# Altium PCB PCB1.pcbdoc (part 4 of 4)
Units mm, origin at the board's own origin, x right, y up, seen from the top; angles counter-clockwise.
Board outline 96.27 x 122.17 mm, 4 copper layers (Top Layer, Inner1, Inner2, Bottom Layer); 167 components, 166 nets, 783 pads, 353 vias.
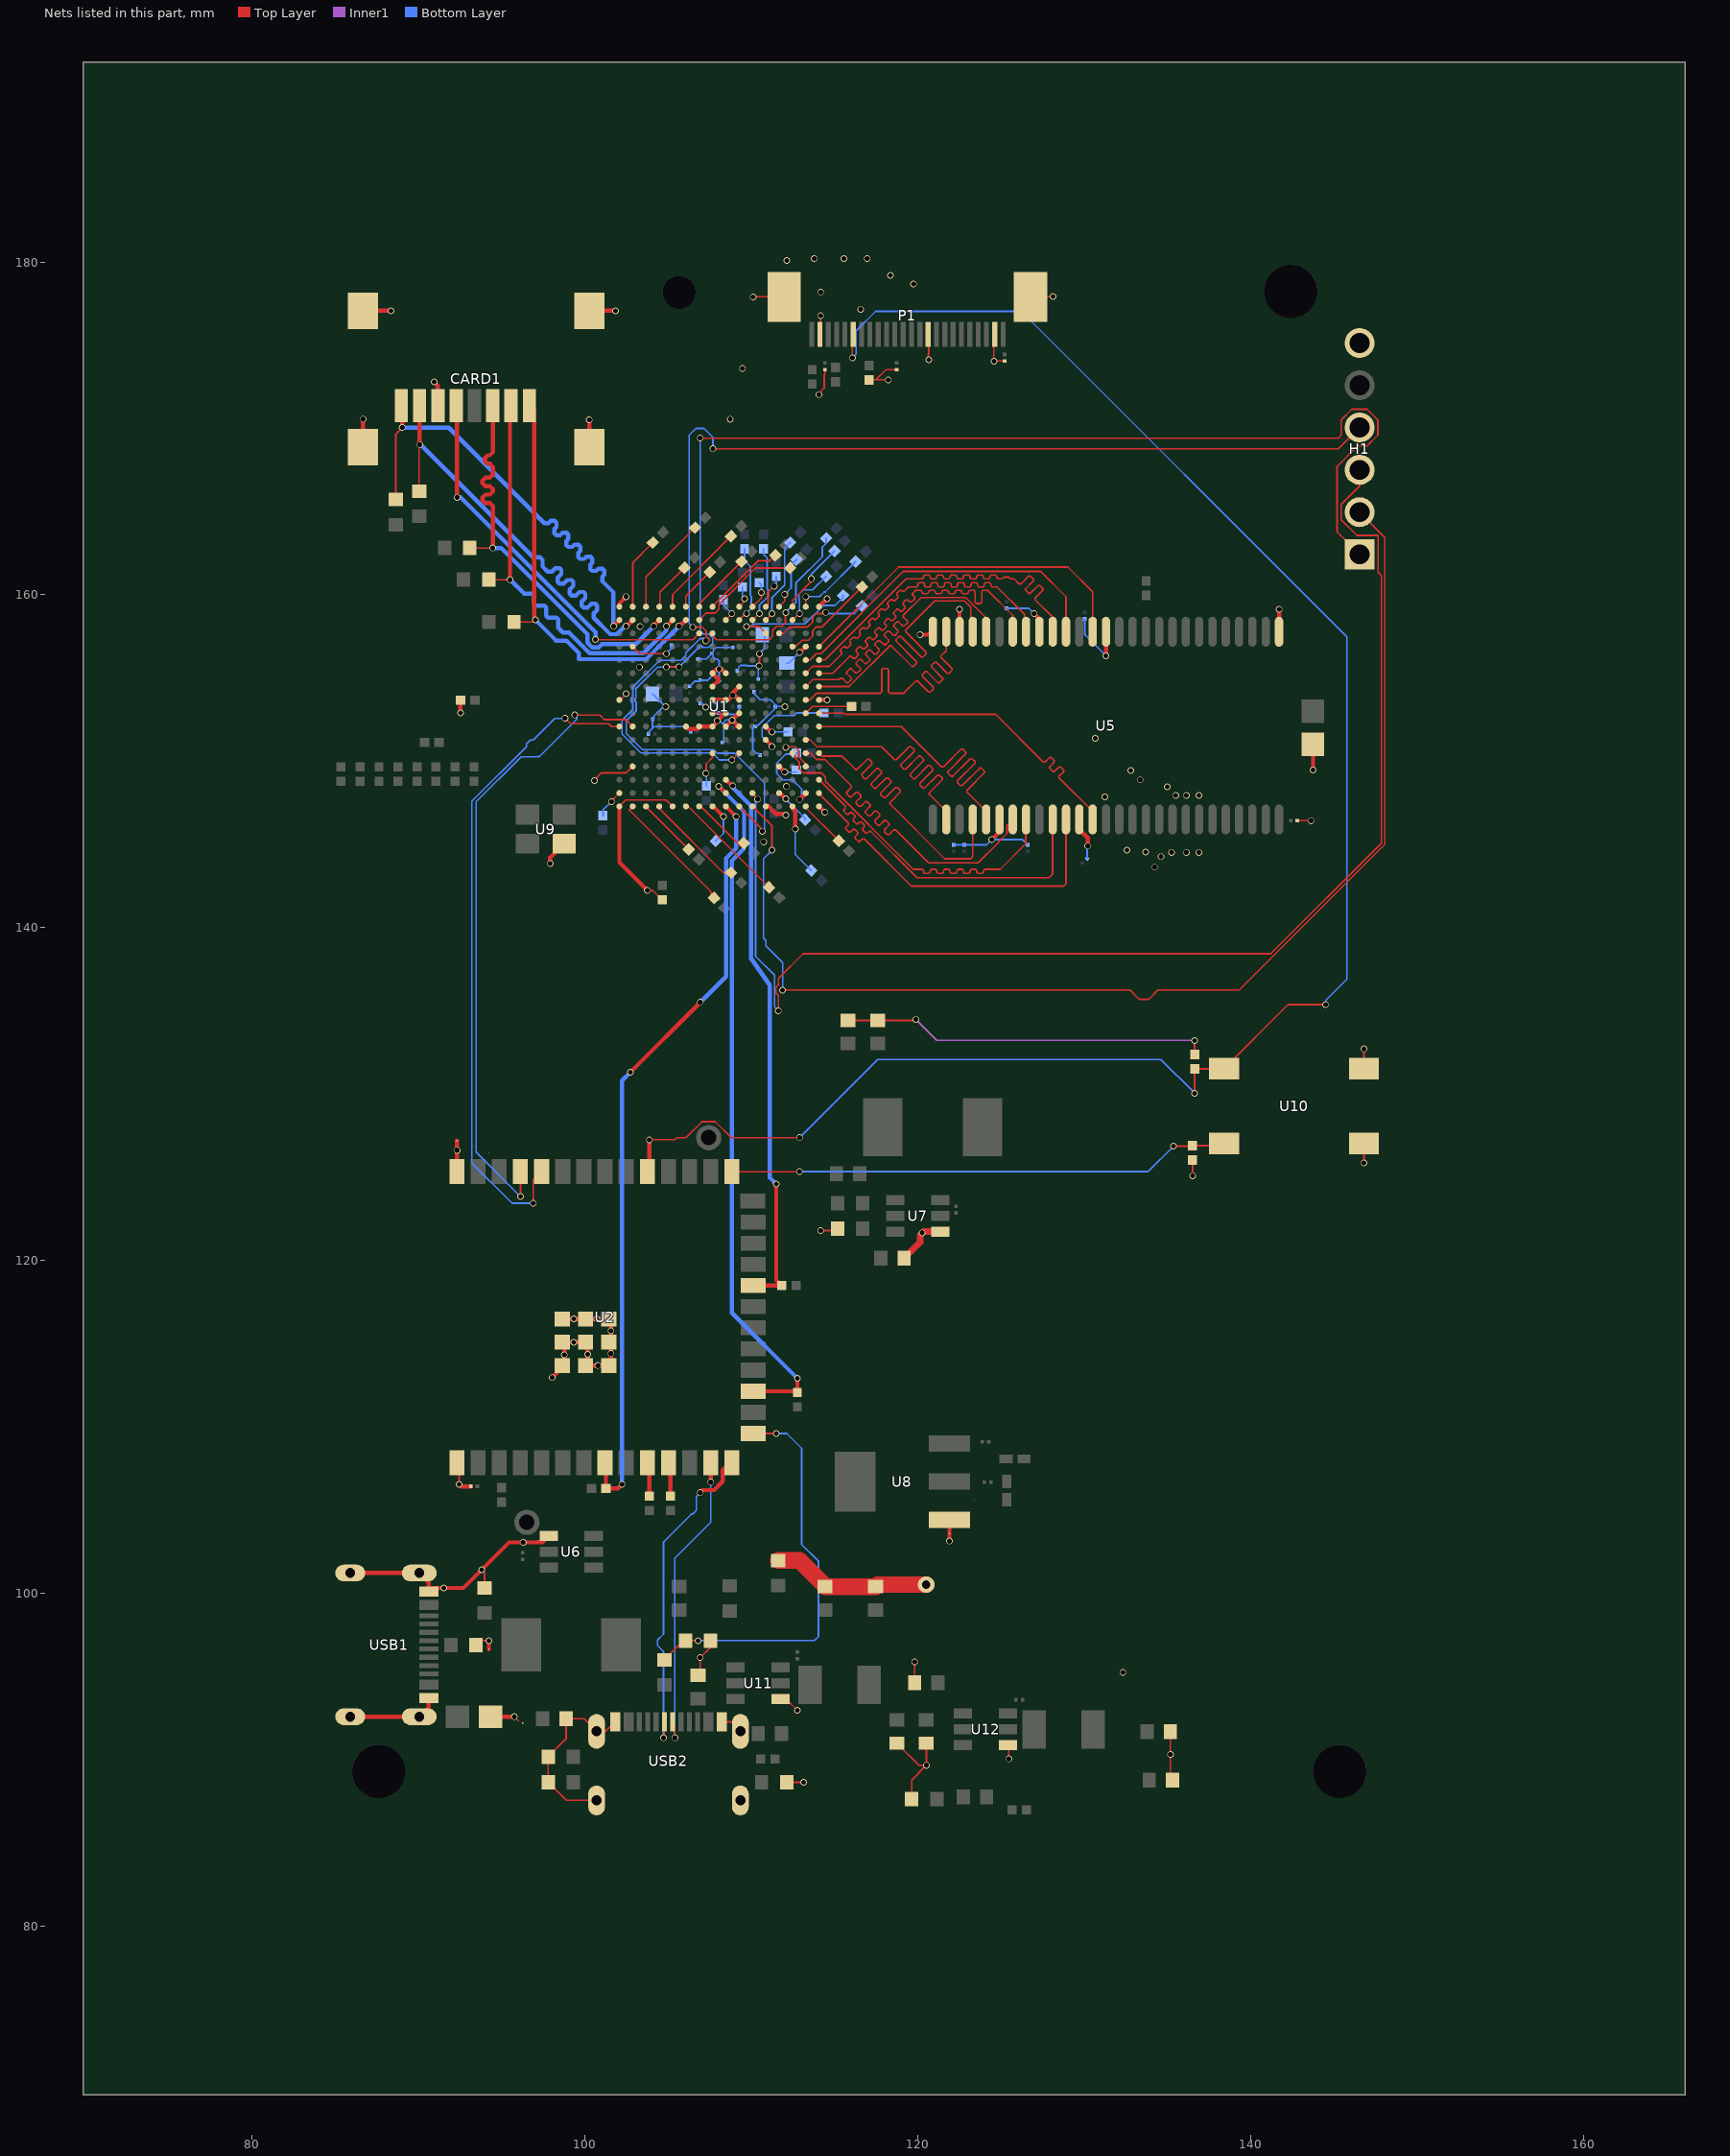
[diagram p6: the nets of this part, all layers, seen from the top]

## Via types
v1: diameter 0.4, hole 0.3, Top Layer to Bottom Layer, 318 vias
v2: diameter 1, hole 0.5, Top Layer to Bottom Layer, 34 vias
v3: diameter 0.5, hole 0.3, Top Layer to Bottom Layer, 1 vias

## Nets (pads, with @x,y where several pads share a name; then routed paths per layer and width w, separated by ;. In a path a pad name is that pad's centre, name@x,y a point inside that pad or via, vN(x,y) a via of type N, cw(c..) or ccw(c..) an arc to the next point about the centre after c; other vN are vias at no path point) (continued)
DIN: R87.1 U1.T8 | length 2.6
  Top Layer w0.254: U1.T8@107.677,147.289 107.727,147.289 v1(108.331,146.685)
  Bottom Layer w0.1: R87.1@107.875,145.213 108.331,145.669 v1(108.331,146.685)
DN: U2.13 USB2.A7 | length 18.5
  Top Layer w0.1: USB2.A7@105.279,92.278 105.41,92.147 v1(105.41,91.313)
  Top Layer w0.254: v1(107.569,106.68) 107.569,107.714 U2.13@107.691,107.836
  Bottom Layer w0.1: v1(105.41,91.313) 105.41,102.108 107.569,104.267 v1(107.569,106.68)
DONE: pad.55@110.617,137.16 R3.2 U1.P9 U2.22 | length 33.3
  Top Layer w0.254: U1.P9@108.477,148.889 108.847,148.519 v1(108.895,148.519) ; U2.22@110.241,118.491 R3.2@111.835,118.491 111.506,118.82 v1(111.506,124.587)
  Bottom Layer w0.254: v1(108.895,148.519) 108.895,148.407 109.982,147.32 109.982,138.176 111.125,136.525 111.125,124.968 v1(111.506,124.587)
DOUT: R88.1 U1.M8 | length 2.2
  Top Layer w0.1: v1(107.277,149.274) 107.295,149.292 107.295,149.847 107.677,150.229 U1.M8@107.677,150.489
  Bottom Layer w0.1: v1(107.277,149.274) 107.315,149.236 R88.1@107.315,148.515
DP: U2.14 USB2.A6 | length 20.1
  Top Layer w0.1: v1@104.779,91.313 USB2.A6@104.779,92.278
  Top Layer w0.254: v1(106.934,106.045) 107.09,106.201 107.767,106.201 108.293,106.727 108.293,107.404 108.725,107.836 U2.14@108.961,107.836
  Bottom Layer w0.1: v1(104.731,91.313) 104.731,96.503 104.373,96.861 104.373,97.195 104.731,97.553 104.731,103.08 106.405,104.754 106.466,104.754 106.701,104.989 106.701,105.812 v1(106.934,106.045)
FSCL: R72.1 U1.A10 | length 1.4
  Top Layer w0.1: U1.A10@109.277,159.289 109.601,159.613 v1(109.601,159.766)
  Bottom Layer w0.1: R72.1@109.474,160.476 109.474,159.893 v1(109.601,159.766)
FSDA: R71.1 U1.B9 | length 1.6
  Top Layer w0.1: U1.B9@108.477,158.489 108.839,158.851 v1(108.839,158.877)
  Bottom Layer w0.1: R71.1@108.331,159.714 108.331,159.385 v1(108.839,158.877)
GND: C8.2 C10.2 C11.2 C12.2 C13.2 C14.2 C15.1 C16.1 C17.1 C20.1 C22.1 C23.1 C26.1 C27.1 C28.1 C33.1 C34.2 C35.2 C37.2 C39.2 C40.2 C41.2 C42.2 C43.2 C44.2 C45.2 C46.2 C47.2 C48.2 C49.2 C50.2 C51.2 C52.2 C53.2 C54.2 C55.2 C56.2 C57.2 C58.2 C59.2 C61.2 C62.2 C63.2 C66.1 C67.1 C68.1 C71.1 C72.1 C73.1 C74.2 CARD1.6 CARD1.9 CARD1.10 CARD1.11 CARD1.12 H1.6 P1.2 P1.15 P1.23 P1.25 P1.26 pad.55@92.324,127.195 pad.55@94.234,96.647 pad.55@96.266,92.202 pad.55@121.914,103.597 R9.1 R10.1 R12.1 R14.1 R24.1 R25.1 R35.2 R36.2 R37.2 R40.1 R42.2 R43.2 R45.1 R46.1 U1.A1 U1.A16 U1.D2 U1.D15 U1.F8 U1.F9 U1.G8 U1.G10 U1.H1 U1.H8 U1.H9 U1.H10 U1.H16 U1.J8 U1.J9 U1.J10 U1.K6 U1.K7 U1.K8 U1.K9 U1.K10 U1.N2 U1.N15 U1.T1 U1.T5 U1.T12 U1.T16 U2.1 U2.40 U2.41 U5.6 U5.12 U5.28 U5.41 U5.46 U5.52 U5.54 U6.4 U7.4 U8.1 U9.2 U10.2 U10.4 U11.4 U12.4 USB1.1 USB1.2 USB1.3 USB1.4 USB1.A1B12 USB1.B1A12 USB2.1 USB2.2 USB2.3 USB2.4 USB2.A1B12 USB2.B1A12 | length 216
  Top Layer w0.1: U2.1@92.324,107.836 92.451,107.709 v1(92.451,106.553) ; R10.1@93.463,96.901 93.717,97.155 v1(94.234,97.155) ; v1(93.804,101.415) 93.98,101.239 R9.1@93.98,100.321 ; v1(95.758,92.583) 96.012,92.329 ; v1(100.584,148.844) 100.584,148.886 101.005,149.307 102.495,149.307 U1.N2@102.877,149.689 ; USB2.3@100.709,87.554 98.891,87.554 R42.2@97.799,88.646 R43.2@97.799,90.17 98.871,91.242 C20.1@98.871,92.456 99.956,92.456 USB2.1@100.709,91.703 101.254,91.703 USB2.A1B12@101.829,92.278 ; U1.T1@102.077,147.289 102.459,147.671 104.895,147.671 U1.T5@105.277,147.289 ; 102.235,153.797 102.477,154.039 v1(102.477,154.051) ; U1.D2@102.877,156.889 103.302,156.464 103.512,156.464 103.519,156.471 104.635,156.471 104.642,156.464 v1@104.902,156.464 ; v1(103.759,142.24) 104.088,142.24 R25.1@104.648,141.68 ; C66.1@106.807,95.061 106.934,95.188 v1(106.934,96.139) 107.56,96.765 R45.1@107.56,97.155 ; U1.J8@107.677,152.889 U1.J9@108.42,152.889 ; USB2.B1A12@108.229,92.278 108.774,92.278 USB2.2@109.349,91.703 ; v1(110.109,177.909) P1.26@111.979,177.909 ; v1(110.477,155.737) 110.49,155.75 v1(110.49,156.464) ; U11.4@111.766,93.637 112.103,93.637 v1(112.776,92.964) ; v1(112.077,150.841) 112.216,150.841 112.246,150.871 112.635,150.871 112.859,150.647 112.859,150.258 113.277,149.84 U1.N15@113.277,149.689 ; R40.1@112.132,88.646 v1(113.157,88.646) ; v1(114.063,172.035) 114.063,172.102 114.39,172.429 114.39,173.245 114.427,173.282 C34.2@114.427,173.541 ; P1.2@114.135,175.655 114.173,175.694 v1(114.173,176.784) ; v1(114.173,121.793) 115.071,121.793 R14.1@115.198,121.92 ; C27.1@115.824,134.431 C28.1@117.602,134.431 119.826,134.431 v1(119.888,134.493) ; R35.2@117.094,172.922 117.491,172.922 ; v1(118.237,172.922) 117.491,172.922 ; C68.1@118.745,90.994 120.077,89.662 v1(120.523,89.662) ; C35.2@118.745,173.541 118.11,173.541 117.491,172.922 ; R46.1@119.643,87.63 119.643,88.782 v1(120.523,89.662) ; C71.1@119.823,94.615 v1(119.823,95.885) ; C67.1@120.523,90.994 v1(120.523,89.662) ; P1.15@120.631,175.654 120.667,175.617 120.667,174.455 120.65,174.437 v1@120.65,174.117 ; P1.23@124.636,175.652 124.587,175.603 v1(124.587,174.045) 124.591,174.049 C74.2@125.222,174.049 ; U12.4@125.429,90.871 125.476,90.824 v1(125.476,90.043) ; P1.25@126.781,177.916 128.132,177.916 v1(128.143,177.927) ; C73.1@135.193,91.694 v1(135.193,90.323) 135.193,88.9 C72.1@135.32,88.773 ; v1(136.525,125.095) R37.2@136.525,126.036 ; R36.2@136.652,132.386 v1(136.652,133.223) ; C14.2@142.816,146.431 v1(143.637,146.431) ; v1(146.812,125.857) 146.821,125.866 U10.4@146.821,127.036 ; U10.2@146.821,131.536 v1(146.821,132.715)
  Top Layer w0.254: USB1.4@85.903,92.581 USB1.2@90.052,92.581 90.627,93.156 USB1.B1A12@90.627,93.701 ; USB1.3@85.903,101.221 USB1.1@90.052,101.221 90.627,100.646 USB1.A1B12@90.627,100.101 90.848,100.321 v1(91.526,100.321) 92.71,100.321 v1(93.804,101.415) 95.447,103.058 v1(96.299,103.058) 97.161,103.058 97.171,103.068 97.466,103.068 U6.4@97.837,103.439 ; CARD1.10@86.672,168.874 v1(86.672,170.565) ; CARD1.9@86.672,177.074 v1(88.357,177.074) ; v1(90.945,172.801) 91.172,172.574 CARD1.6@91.172,171.374 ; pad.55@92.324,127.195 v1(92.324,126.623) 92.324,125.463 U2.40@92.451,125.336 ; v1(92.451,106.553) 92.578,106.426 C17.1@93.15,106.426 ; v1(92.531,152.902) R24.1@92.531,153.67 ; pad.55@94.234,96.647 v1(94.234,97.155) ; C33.1@94.345,92.583 v1(95.758,92.583) ; v1(97.917,143.861) 97.917,144.202 U9.2@98.763,145.048 ; v1(98.045,112.96) 98.771,113.686 v1(98.771,114.339) 98.771,115.086 v1(99.347,115.086) 100.171,115.086 v1(100.171,114.364) 100.171,113.686 v1(100.791,113.686) 101.571,113.686 v1(101.571,114.408) v1(101.571,115.77) 101.571,116.486 v1(100.722,116.486) U2.41@100.044,116.486 v1(99.347,116.486) U2.41@98.771,116.486 ; CARD1.11@100.272,168.874 v1(100.272,170.523) ; CARD1.12@100.272,177.074 v1(101.854,177.074) ; U1.T1@102.077,147.289 102.077,143.922 v1(103.759,142.24) ; U1.A1@102.077,159.289 102.077,159.481 v1(102.489,159.893) ; U1.K6@106.077,152.089 106.218,151.948 106.736,151.948 U1.K7@106.877,152.089 U1.K8@107.677,152.089 107.964,152.376 v1(107.964,152.432) 108.42,152.889 U1.J9@108.477,152.889 ; U1.H8@107.677,153.689 U1.H9@108.477,153.689 108.628,153.689 v1(108.896,153.957) ; U1.G8@107.677,154.489 108.029,154.841 108.029,154.937 U1.F8@107.677,155.289 107.931,155.543 v1(108.068,155.543) 108.223,155.543 U1.F9@108.477,155.289 ; U1.K9@108.477,152.089 108.856,152.468 v1(108.856,152.481) ; U1.K10@109.121,152.117 109.121,152.215 v1(108.856,152.481) ; U1.J10@109.277,152.889 109.264,152.889 v1(108.856,152.481) ; U1.H10@109.277,153.689 109.009,153.957 v1(108.896,153.957) ; U1.G10@109.277,154.489 108.896,154.108 v1(108.896,153.957) ; U1.T12@110.877,147.289 111.064,147.289 111.218,147.135 111.218,147.099 111.487,146.83 112.001,146.83 v1(112.074,146.757) ; v1@112.903,156.591 112.979,156.591 U1.D15@113.277,156.889 ; U1.T16@114.077,147.289 v1(114.427,146.939) ; U1.H16@114.077,153.689 v1(114.554,153.691) ; U1.A16@114.077,159.289 v1(114.554,159.766) ; v1(120.142,157.607) 120.61,157.607 U5.54@120.918,157.915 ; v1(121.914,103.134) pad.55@121.914,103.597 U8.1@121.914,104.409 ; U5.52@122.518,157.915 v1(122.518,159.131) ; v1(124.46,145.288) 124.918,145.746 U5.6@124.918,146.504 ; v1(127,158.877) 127.318,158.559 U5.46@127.318,157.788 ; U5.12@129.718,146.504 129.718,145.906 130.226,145.398 v1(130.226,144.907) ; v1(131.318,156.337) U5.41@131.318,157.915 ; U5.28@141.718,157.788 141.732,157.802 v1(141.732,159.131) ; v1(143.764,149.479) C8.2@143.764,151.019
  Top Layer w0.4: C26.1@119.191,120.142 120.142,121.093 120.142,121.524 v1@120.269,121.651 ; v1(120.269,121.666) v1@120.269,121.651 ; U7.4@121.365,121.732 120.35,121.732 v1@120.269,121.651
  Top Layer w1: R12.1@111.633,101.972 112.912,101.972 C23.1@114.489,100.395 ; C23.1@114.427,100.395 C23.1@114.489,100.395 ; v2(120.515,100.522) 117.602,100.522 C22.1@117.475,100.395 C23.1@114.489,100.395
  Inner1 w0.1: v1(119.888,134.493) 121.158,133.223 v1(136.652,133.223)
  Bottom Layer w0.1: C51.2@103.818,151.638 103.818,151.749 104.072,152.003 ; C61.2@104.075,154.051 104.089,154.051 v1(104.864,153.276) 104.711,153.276 104.155,152.721 104.155,152.567 104.115,152.527 C56.2@104.072,152.527 104.072,152.003 ; v1(104.901,156.465) 105.215,156.779 C37.2@105.215,156.972 ; C41.2@106.299,154.5 106.612,154.813 106.875,154.813 C62.2@106.934,154.872 107.397,154.872 v1(108.068,155.543) ; C54.2@106.358,151.765 106.032,152.091 104.16,152.091 104.072,152.003 ; C63.2@106.807,156.151 107.315,156.151 C50.2@107.628,156.464 ; C45.2@106.934,153.475 107.043,153.475 v1(107.263,153.256) ; C46.2@107.882,153.543 107.935,153.49 107.935,152.991 C57.2@108.018,152.908 108.113,152.813 109.188,152.813 ; v1(107.964,152.432) 108.103,152.432 108.346,152.19 ; C42.2@108.068,154.826 v1(108.068,155.543) ; C53.2@108.263,151.13 108.346,151.213 108.346,151.919 108.446,152.019 C49.2@108.517,152.019 108.346,152.19 ; C39.2@108.898,156.845 107.898,156.845 107.711,156.658 107.711,156.547 C50.2@107.628,156.464 ; C43.2@109.152,155.448 109.235,155.531 109.235,155.642 109.353,155.76 109.731,155.76 109.754,155.737 v1(110.477,155.737) 110.422,155.682 C40.2@110.422,154.94 ; C47.2@109.288,153.289 109.288,152.913 109.188,152.813 ; C44.2@110.168,154.178 110.168,154.067 110.534,153.701 111.146,153.701 111.447,153.4 C55.2@111.447,153.289 ; v1(110.49,156.464) 110.806,156.78 C58.2@110.806,157.607 ; C48.2@110.549,150.368 110.443,150.474 110.323,150.474 110.088,150.709 110.088,151.93 C52.2@110.236,152.078 110.319,152.161 110.43,152.161 111.447,153.178 C55.2@111.447,153.289 ; v1@112.014,153.289 C55.2@111.447,153.289 ; C59.2@112.141,155.894 112.254,155.894 v1(112.903,156.544) ; C10.2@122.174,144.975 C11.2@122.809,144.975 124.147,144.975 v1(124.46,145.288) 126.306,145.288 C12.2@126.619,144.975 ; C16.1@125.349,159.19 126.687,159.19 v1(127,158.877) ; C15.1@130.048,158.555 130.048,157.607 v1(131.318,156.337) ; C13.2@130.186,144.156 130.186,144.867 v1(130.226,144.907) ; C50.2@107.628,156.464 107.711,156.381 107.711,156.27 107.829,156.152 107.94,156.152 108.068,156.024 v1(108.068,155.543) ; 108.346,152.19 108.346,152.331 108.496,152.481 v1(108.856,152.481) 109.188,152.813
  other v1: 132.334,95.25 134.239,143.637 134.62,144.272 135.255,144.526 136.144,144.526 136.906,144.526 133.707,144.55 132.588,144.653 110.744,145.161 131.261,147.864 135.509,147.955 136.144,147.955 136.906,147.955 135.001,148.463 112.121,148.485 133.372,148.884 132.812,149.449 130.683,151.384 112.029,153.289 103.279,155.659 103.326,158.088 108.733,170.561 109.474,173.609 120.667,174.117 116.586,177.165 114.173,178.181 119.761,178.689 118.364,179.197 112.141,180.086 113.792,180.213 115.57,180.213 116.967,180.213
HREF: R75.1 U1.A11 | length 1.7
  Top Layer w0.1: U1.A11@110.077,159.289 110.617,159.829 v1(110.617,160.147)
  Bottom Layer w0.1: R75.1@110.49,160.73 110.617,160.603 v1(110.617,160.147)
INITN: pad.55@102.235,127.254 R5.1 U1.T9 U2.8 | length 46.5
  Top Layer w0.254: U2.8@101.341,107.836 101.271,107.766 R5.1@101.271,106.299 101.981,106.299 v1(102.235,106.553) ; v1(102.743,131.318) v1(106.934,135.509) ; U1.T9@108.477,147.289 109.081,146.685 v1(109.093,146.685)
  Bottom Layer w0.254: v1(102.235,106.553) pad.55@102.235,127.254 102.235,130.81 v1(102.743,131.318) ; v1(106.934,135.509) 108.485,137.06 108.485,144.172 109.093,144.78 v1(109.093,146.685)
M_CLK: CARD1.5 U1.C7 | length 24
  Top Layer w0.1: v1(100.639,157.325) 100.656,157.307 106.495,157.307 U1.C7@106.877,157.689
  Top Layer w0.254: CARD1.5@92.272,171.374 92.329,171.317 v1(92.329,165.862)
  Bottom Layer w0.254: v1(92.329,165.862) 92.541,165.862 100.639,157.764 v1(100.639,157.325)
M_CMD: CARD1.3 R20.1 U1.B4 | length 25.6
  Top Layer w0.1: R20.1@93.082,162.814 v1(94.472,162.814)
  Top Layer w0.254: v1(94.472,162.814) 94.472,165.339 94.293,165.518 94.033,165.518 93.853,165.698 93.853,165.847 94.033,166.026 94.293,166.026 94.472,166.206 94.472,166.355 94.293,166.534 94.033,166.534 93.853,166.714 93.853,166.863 94.033,167.042 94.293,167.042 94.472,167.222 94.472,167.699 94.293,167.878 94.16,167.878 93.98,168.058 93.98,168.207 94.16,168.386 94.293,168.386 94.472,168.566 CARD1.3@94.472,171.374 ; v1(104.14,158.115) 104.14,158.152 U1.B4@104.477,158.489
  Bottom Layer w0.254: v1(94.472,162.814) 94.98,162.814 100.16,157.634 100.16,157.126 100.44,156.846 100.837,156.846 101.036,157.045 103.07,157.045 v1(104.14,158.115)
M_D0: CARD1.7 R18.1 U1.B2 | length 26.9
  Top Layer w0.1: R18.1@90.043,166.234 90.043,169.008 v1(90.072,169.037)
  Top Layer w0.254: v1(90.072,169.037) CARD1.7@90.072,171.374 ; v1(102.489,158.115) 102.503,158.115 U1.B2@102.877,158.489
  Bottom Layer w0.254: v1(90.072,169.037) 90.128,169.037 96.902,162.263 97.304,162.263 97.462,162.104 97.462,161.703 97.766,161.398 98.02,161.398 98.232,161.61 98.486,161.61 98.591,161.505 98.591,161.251 98.38,161.039 98.38,160.785 98.485,160.68 98.739,160.68 98.95,160.892 99.204,160.892 99.31,160.786 99.31,160.532 99.098,160.321 99.098,160.067 99.203,159.961 99.457,159.961 99.669,160.173 99.923,160.173 100.028,160.068 100.028,159.814 99.816,159.602 99.816,159.348 99.922,159.243 100.176,159.243 100.387,159.455 100.641,159.455 100.747,159.349 100.747,159.095 100.535,158.884 100.535,158.63 101.529,157.636 101.925,157.636 102.404,158.115 v1(102.489,158.115)
M_D1: CARD1.8 R19.1 U1.B1 | length 28.5
  Top Layer w0.1: R19.1@88.646,165.726 88.646,169.672 v1(89.027,170.053)
  Top Layer w0.254: CARD1.8@88.972,171.374 89.027,171.319 v1(89.027,170.053) ; v1(101.727,158.115) 101.727,158.139 U1.B1@102.077,158.489
  Bottom Layer w0.254: v1(89.027,170.053) 91.821,170.053 97.558,164.316 97.812,164.316 97.939,164.443 98.193,164.443 98.298,164.338 98.298,164.084 98.171,163.957 98.171,163.703 98.277,163.597 98.531,163.597 98.658,163.724 98.912,163.724 99.017,163.619 99.017,163.365 98.89,163.238 98.89,162.984 98.995,162.879 99.249,162.879 99.376,163.006 99.63,163.006 99.735,162.901 99.735,162.647 99.608,162.52 99.608,162.266 99.714,162.16 99.968,162.16 100.095,162.287 100.349,162.287 100.454,162.182 100.454,161.928 100.327,161.801 100.327,161.547 100.432,161.442 100.686,161.442 100.813,161.569 101.067,161.569 101.172,161.464 101.172,161.21 101.045,161.083 101.045,160.829 101.727,160.147 v1(101.727,158.115)
M_D2: CARD1.1 R16.1 U1.B6 | length 25.4
  Top Layer w0.1: R16.1@95.876,158.369 96.901,158.369 v1(97.028,158.496)
  Top Layer w0.254: CARD1.1@96.672,171.374 96.957,171.089 96.957,158.567 v1(97.028,158.496) ; v1(105.664,158.115) 105.703,158.115 U1.B6@106.077,158.489
  Bottom Layer w0.254: v1(97.028,158.496) 98.269,157.255 98.895,157.255 99.653,156.497 99.653,156.138 103.687,156.138 v1(105.664,158.115)
M_D3: CARD1.2 R17.1 U1.B5 | length 25.2
  Top Layer w0.1: R17.1@94.225,160.909 v1(95.504,160.909)
  Top Layer w0.254: v1(95.504,160.909) 95.504,171.306 CARD1.2@95.572,171.374 ; v1(104.902,158.115) U1.B5@105.277,158.489
  Bottom Layer w0.254: v1(95.504,160.909) 95.517,160.909 96.362,160.064 96.857,160.064 96.969,159.952 96.969,159.457 97.081,159.346 97.575,159.346 97.687,159.234 97.687,158.739 97.799,158.627 98.294,158.627 98.406,158.515 98.406,158.021 98.692,157.734 99.051,157.734 100.294,156.492 103.54,156.492 104.902,157.854 v1(104.902,158.115)
MCLK: R77.1 U1.A12 | length 2.1
  Top Layer w0.1: U1.A12@110.877,159.289 111.019,159.431 111.019,160.168 v1(111.379,160.528)
  Bottom Layer w0.1: v1(111.379,160.528) 111.506,160.655 R77.1@111.506,161.111
PCLK: R80.1 U1.C8 | length 11.3
  Top Layer w0.1: U1.C8@107.677,157.689 107.677,157.548 107.918,157.307 111.079,157.307 111.295,157.523 111.295,157.883 111.519,158.107 111.835,158.107 112.059,158.331 112.059,158.919 v1(112.077,158.937)
  Bottom Layer w0.1: v1(112.077,158.937) 112.682,159.542 112.682,160.704 114.276,162.298 114.276,162.875 114.502,163.102 R80.1@114.502,163.397
PROGRAM: R37.1 U2.27 U10.3 | length 30.3
  Top Layer w0.1: U2.27@108.834,125.336 112.89,125.336 v1(112.903,125.349) ; v1(135.382,126.873) 136.497,126.873 R37.1@136.525,126.901 138.287,126.901 U10.3@138.421,127.036
  Bottom Layer w0.1: v1(112.903,125.349) 133.858,125.349 v1(135.382,126.873)
PROGRAMN: pad.55@108.839,136.377 R4.2 U1.R9 U2.17 | length 42.2
  Top Layer w0.254: v1(108.04,148.5) 108.066,148.5 U1.R9@108.477,148.089 ; U2.17@110.241,112.141 112.701,112.141 R4.2@112.776,112.066 v1(112.776,112.92)
  Bottom Layer w0.254: v1(108.04,148.5) 109.572,146.968 109.572,144.758 108.839,144.025 pad.55@108.839,136.377 108.839,116.857 v1(112.776,112.92)
RESET: P1.6 R36.1 U2.31 U10.1 | length 113.1
  Top Layer w0.1: v1(103.881,127.254) 105.41,127.254 105.537,127.381 106.079,127.381 107.043,128.345 107.841,128.345 108.805,127.381 v1(112.903,127.381) ; v1(116.078,174.244) 116.078,175.599 P1.6@116.135,175.655 ; v1(136.652,130.048) R36.1@136.652,131.52 138.405,131.52 U10.1@138.421,131.536 142.267,135.382 v1(144.526,135.382)
  Top Layer w0.254: U2.31@103.881,125.336 v1(103.881,127.254)
  Bottom Layer w0.1: v1(112.903,127.381) 117.602,132.08 134.62,132.08 v1(136.652,130.048) ; v1(116.078,174.244) 116.304,174.47 116.304,175.867 117.475,177.038 126.238,177.038 145.796,157.48 145.796,136.906 144.526,135.636 v1(144.526,135.382)
RX: U1.K1 U2.36 | length 39.7
  Top Layer w0.1: v1(96.901,123.444) 96.901,124.833 U2.36@97.404,125.336 ; v1(98.807,152.582) 99.135,152.254 101.434,152.254 101.599,152.089 U1.K1@102.077,152.089
  Bottom Layer w0.1: v1(96.901,123.444) 95.631,123.444 93.218,125.857 93.218,147.598 96.499,150.879 96.499,151.043 96.734,151.278 96.898,151.278 98.202,152.582 v1(98.807,152.582)
SCL: R21.1 U2.10 | length 1.9
  Top Layer w0.254: U2.10@103.881,107.836 103.886,107.831 R21.1@103.886,105.918
SD_A0: R56.1 U1.T6 | length 7
  Top Layer w0.1: U1.T6@106.077,147.289 106.203,147.289 R56.1@111.073,142.419
SD_A1: R57.1 U1.T4 | length 6
  Top Layer w0.1: U1.T4@104.477,147.289 104.477,147.148 108.317,143.308 R57.1@108.787,143.308
SD_A2: R58.1 U1.T3 | length 3.6
  Top Layer w0.1: U1.T3@103.677,147.289 103.677,147.275 R58.1@106.247,144.705
SD_A3: R59.1 U1.T2 | length 7.7
  Top Layer w0.1: U1.T2@102.877,147.289 102.687,147.099 102.687,147.056 107.58,142.162 107.58,141.975 R59.1@107.771,141.784
SD_A4: R68.2 U1.A2 | length 4.4
  Top Layer w0.1: U1.A2@102.877,159.289 102.891,159.303 102.891,161.946 R68.2@104.088,163.143
SD_A5: R67.2 U1.A3 | length 6
  Top Layer w0.1: U1.A3@103.677,159.289 103.677,161.081 R67.2@106.628,164.032
SD_A6: R66.2 U1.A4 | length 3
  Top Layer w0.1: U1.A4@104.477,159.289 104.521,159.333 104.521,160.147 R66.2@105.993,161.619
SD_A7: R65.2 U1.A5 | length 5.7
  Top Layer w0.1: U1.A5@105.277,159.289 105.277,160.014 R65.2@108.787,163.524
SD_A8: R64.2 U1.A6 | length 2.7
  Top Layer w0.1: U1.A6@106.077,159.289 106.077,159.925 R64.2@107.517,161.365
SD_A9: R63.2 U1.A7 | length 3.8
  Top Layer w0.1: U1.A7@106.877,159.289 106.877,159.455 R63.2@109.422,162
SD_A10: R55.1 U1.T7 | length 3.5
  Top Layer w0.1: U1.T7@106.877,147.289 106.974,147.289 R55.1@109.363,144.9
SD_A11: R62.2 U1.A8 | length 5.1
  Top Layer w0.1: U1.A8@107.677,159.289 107.677,159.312 110.417,162.052 111.125,162.052 R62.2@111.454,162.381
SD_A12: R61.2 U1.B7 | length 6.9
  Top Layer w0.1: U1.B7@106.877,158.489 107.295,158.907 107.835,158.907 108.059,159.131 108.059,159.411 110.267,161.619 R61.2@112.343,161.619
SD_BA0: R54.1 U1.K12 | length 1.5
  Top Layer w0.254: U1.K12@110.877,152.089 111.203,151.763 v1(111.25,151.763)
  Bottom Layer w0.1: v1(111.25,151.763) R54.1@112.216,151.763
SD_BA1: R53.1 U1.L12 | length 6.1
  Top Layer w0.254: U1.L12@110.877,151.289 111.252,150.914 v1(111.252,150.876)
  Bottom Layer w0.1: v1(111.252,150.876) 110.648,151.48 110.648,152.013 111.389,152.753 112.581,152.753 112.736,152.908 R53.1@114.375,152.908
SD_CAS_N: R49.1 U1.R13 | length 2.3
  Top Layer w0.254: U1.R13@111.677,148.089 111.725,148.089 v1(112.077,147.737)
  Bottom Layer w0.1: v1(112.077,147.737) 113.234,146.58 R49.1@113.234,146.485
SD_CLK: R2.2 U1.J15 | length 2.9
  Top Layer w0.1: U1.J15@113.277,152.889 113.677,153.289 R2.2@116.026,153.289
SD_CS_N: R51.1 U1.R15 | length 5.3
  Top Layer w0.254: v1(112.903,147.701) 113.277,148.075 U1.R15@113.277,148.089
  Bottom Layer w0.1: R51.1@112.724,150.495 112.658,150.429 112.075,150.429 111.535,149.889 111.535,149.262 111.911,148.887 112.479,148.887 113.03,148.336 113.03,147.701 v1(112.903,147.701)
SD_DQ0: U1.L15 U5.2 | length 20.1
  Top Layer w0.1: U1.L15@113.277,151.289 113.537,151.289 113.955,150.871 117.84,150.871 118.62,150.091 118.72,150.091 119.505,150.877 119.605,150.877 119.788,150.694 119.788,150.594 119.003,149.808 119.003,149.708 119.186,149.526 119.286,149.526 120.071,150.311 120.171,150.311 120.354,150.128 120.354,150.028 119.568,149.243 119.568,149.143 119.751,148.96 119.851,148.96 120.637,149.745 120.737,149.745 120.92,149.562 120.92,149.463 120.134,148.677 120.134,148.577 120.317,148.394 120.417,148.394 121.202,149.18 121.302,149.18 121.485,148.997 121.485,148.897 120.7,148.111 120.7,148.011 121.718,146.993 U5.2@121.718,146.504
SD_DQ1: U1.M16 U5.4 | length 21.6
  Top Layer w0.1: U1.M16@114.077,150.489 114.259,150.307 115.465,150.307 116.263,149.509 116.363,149.509 116.981,150.127 117.081,150.127 117.264,149.944 117.264,149.844 116.646,149.226 116.646,149.126 116.828,148.943 116.928,148.943 117.547,149.561 117.647,149.561 117.83,149.378 117.83,149.278 117.211,148.66 117.211,148.56 117.394,148.377 117.494,148.377 118.112,148.996 118.212,148.996 118.395,148.813 118.395,148.713 117.777,148.094 117.777,147.994 117.96,147.812 118.06,147.812 118.678,148.43 118.778,148.43 118.961,148.247 118.961,148.147 118.343,147.529 118.343,147.429 121.626,144.145 123.19,144.145 123.318,144.273 U5.4@123.318,146.504
SD_DQ2: U1.K16 U5.5 | length 22
  Top Layer w0.1: U1.K16@114.077,152.089 119.022,152.089 121.445,149.666 121.545,149.666 122.604,150.724 122.704,150.724 122.887,150.541 122.887,150.441 121.828,149.383 121.828,149.283 122.011,149.1 122.111,149.1 123.17,150.159 123.27,150.159 123.452,149.976 123.452,149.876 122.394,148.817 122.394,148.717 122.577,148.534 122.677,148.534 123.735,149.593 123.835,149.593 124.018,149.41 124.018,149.31 122.96,148.252 122.96,148.152 124.118,146.993 U5.5@124.118,146.504
SD_DQ3: U1.M15 U5.7 | length 21.1
  Top Layer w0.1: U1.M15@113.277,150.489 113.537,150.489 113.919,150.107 114.434,150.107 116.02,148.521 116.02,148.421 115.739,148.14 115.739,148.04 115.922,147.857 116.022,147.857 116.303,148.138 116.403,148.138 116.585,147.956 116.585,147.856 116.304,147.575 116.304,147.475 116.487,147.292 116.587,147.292 116.868,147.573 116.968,147.573 117.151,147.39 117.151,147.29 116.87,147.009 116.87,146.909 117.053,146.726 117.153,146.726 117.434,147.007 117.534,147.007 117.717,146.824 117.717,146.724 117.436,146.443 117.436,146.343 117.619,146.16 117.719,146.16 118,146.441 118.1,146.441 118.282,146.259 118.282,146.159 118.001,145.878 118.001,145.778 118.184,145.595 118.284,145.595 118.565,145.876 118.665,145.876 120.65,143.891 123.632,143.891 124.862,145.121 124.862,145.159 125.37,145.667 125.37,146.156 U5.7@125.718,146.504
SD_DQ4: U1.M14 U5.8 | length 21.2
  Top Layer w0.1: U1.M14@112.477,150.489 112.659,150.307 112.659,150.175 112.895,149.939 112.895,149.531 113.119,149.307 114.199,149.307 114.459,149.047 114.459,148.79 119.739,143.51 120.288,143.51 120.358,143.439 120.358,143.327 120.429,143.256 120.688,143.256 120.758,143.327 120.758,143.439 120.829,143.51 121.088,143.51 121.158,143.439 121.158,143.327 121.229,143.256 121.488,143.256 121.558,143.327 121.558,143.439 121.629,143.51 121.888,143.51 121.958,143.439 121.958,143.327 122.029,143.256 122.288,143.256 122.358,143.327 122.358,143.439 122.429,143.51 122.688,143.51 122.758,143.439 122.758,143.327 122.829,143.256 123.088,143.256 123.158,143.327 123.158,143.439 123.229,143.51 123.488,143.51 123.558,143.439 123.558,143.327 123.629,143.256 123.888,143.256 123.958,143.327 123.958,143.439 124.029,143.51 124.968,143.51 126.492,145.034 126.492,146.478 U5.8@126.518,146.504
SD_DQ5: U1.P16 U5.10 | length 21
  Top Layer w0.1: U1.P16@114.077,148.889 115.669,147.297 115.669,147.197 115.569,147.097 115.569,146.997 115.752,146.814 115.852,146.814 115.952,146.914 116.052,146.914 116.235,146.731 116.235,146.631 116.135,146.531 116.135,146.431 116.318,146.249 116.418,146.249 116.518,146.348 116.618,146.348 116.8,146.166 116.8,146.066 116.701,145.966 116.701,145.866 116.884,145.683 116.984,145.683 117.083,145.783 117.183,145.783 119.964,143.002 127.889,143.002 128.118,143.231 U5.10@128.118,146.504
SD_DQ6: U1.R16 U5.11 | length 22
  Top Layer w0.1: U1.R16@114.173,147.955 115.841,146.287 115.841,146.187 115.687,146.033 115.687,145.933 115.87,145.75 115.97,145.75 116.124,145.904 116.224,145.904 116.406,145.722 116.406,145.622 116.252,145.468 116.252,145.368 116.435,145.185 116.535,145.185 116.689,145.339 116.789,145.339 119.634,142.494 128.778,142.494 128.918,142.634 U5.11@128.918,146.504
SD_DQ7: U1.J16 U5.13 | length 21.2
  Top Layer w0.1: U1.J16@114.077,152.889 115.588,152.889 115.66,152.817 124.694,152.817 127.557,149.954 127.657,149.954 127.93,150.227 128.03,150.227 128.213,150.044 128.213,149.944 127.94,149.671 127.94,149.571 128.123,149.388 128.223,149.388 128.496,149.661 128.596,149.661 128.779,149.478 128.779,149.378 128.506,149.105 128.506,149.005 130.518,146.993 U5.13@130.518,146.504
SD_DQ8: U1.D16 U5.42 | length 21.4
  Top Layer w0.1: U1.D16@114.077,156.889 118.859,161.671 129.032,161.671 130.518,160.185 U5.42@130.518,157.788
SD_DQ9: U1.E15 U5.44 | length 20.6
  Top Layer w0.1: U1.E15@113.277,156.089 113.537,156.089 113.919,156.471 114.199,156.471 119.145,161.417 127.381,161.417 128.918,159.88 U5.44@128.918,157.788
SD_DQ10: U1.E16 U5.45 | length 22.6
  Top Layer w0.1: U1.E16@114.077,156.089 114.433,156.089 119.307,160.963 120.282,160.963 120.352,161.034 120.352,161.117 120.423,161.188 120.682,161.188 120.752,161.117 120.752,161.034 120.823,160.963 121.082,160.963 121.152,161.034 121.152,161.117 121.223,161.188 121.482,161.188 121.552,161.117 121.552,161.034 121.623,160.963 121.882,160.963 121.952,161.034 121.952,161.117 122.023,161.188 122.282,161.188 122.352,161.117 122.352,161.034 122.423,160.963 122.682,160.963 122.752,161.034 122.752,161.117 122.823,161.188 123.082,161.188 123.152,161.117 123.152,161.034 123.223,160.963 123.482,160.963 123.552,161.034 123.552,161.117 123.623,161.188 123.882,161.188 123.952,161.117 123.952,161.034 124.023,160.963 124.282,160.963 124.352,161.034 124.352,161.117 124.423,161.188 124.682,161.188 124.752,161.117 124.752,161.034 124.823,160.963 125.082,160.963 125.182,161.063 125.482,161.063 125.582,160.963 125.803,160.963 126.111,160.655 126.211,160.655 126.682,161.127 126.782,161.127 126.965,160.944 126.965,160.844 126.494,160.372 126.494,160.272 126.677,160.089 126.777,160.089 127.248,160.561 127.348,160.561 127.531,160.378 127.531,160.278 127.06,159.806 127.06,159.706 128.118,158.648 U5.45@128.118,157.788
SD_DQ11: U1.F15 U5.47 | length 21.1
  Top Layer w0.1: U1.F15@113.277,155.289 113.69,155.702 114.681,155.702 115.424,156.445 115.424,156.545 115.368,156.6 115.368,156.7 115.551,156.883 115.651,156.883 115.707,156.828 115.807,156.828 115.99,157.011 115.99,157.111 115.934,157.166 115.934,157.266 116.117,157.449 116.217,157.449 116.272,157.393 116.372,157.393 116.555,157.576 116.555,157.676 116.5,157.732 116.5,157.832 116.683,158.014 116.783,158.014 116.838,157.959 116.938,157.959 117.121,158.142 117.121,158.242 117.066,158.297 117.066,158.397 117.248,158.58 117.348,158.58 117.404,158.525 117.504,158.525 117.687,158.708 117.687,158.808 117.631,158.863 117.631,158.963 117.814,159.146 117.914,159.146 117.969,159.09 118.069,159.09 118.252,159.273 118.252,159.373 118.197,159.429 118.197,159.529 118.38,159.712 118.48,159.712 118.535,159.656 118.635,159.656 118.818,159.839 118.818,159.939 118.763,159.994 118.763,160.094 118.945,160.277 119.045,160.277 119.101,160.222 119.201,160.222 119.453,160.474 119.936,160.474 120.007,160.545 120.007,160.663 120.078,160.734 120.336,160.734 120.407,160.663 120.407,160.545 120.478,160.474 120.736,160.474 120.807,160.545 120.807,160.663 120.878,160.734 121.136,160.734 121.207,160.663 121.207,160.545 121.278,160.474 121.536,160.474 121.607,160.545 121.607,160.663 121.678,160.734 121.936,160.734 122.007,160.663 122.007,160.545 122.078,160.474 122.336,160.474 122.407,160.545 122.407,160.663 122.478,160.734 122.736,160.734 122.807,160.663 122.807,160.545 122.878,160.474 123.136,160.474 123.207,160.545 123.207,160.663 123.278,160.734 123.536,160.734 123.607,160.663 123.607,160.545 123.678,160.474 123.936,160.474 124.007,160.545 124.007,160.663 124.078,160.734 124.336,160.734 124.407,160.663 124.407,160.545 124.478,160.474 124.768,160.474 126.418,158.824 126.418,157.888 U5.47@126.518,157.788
SD_DQ12: U1.F16 U5.48 | length 20.9
  Top Layer w0.1: U1.F16@114.077,155.289 114.903,155.289 115.92,156.306 116.02,156.306 116.139,156.187 116.239,156.187 116.422,156.37 116.422,156.47 116.303,156.589 116.303,156.689 116.486,156.872 116.586,156.872 116.704,156.753 116.804,156.753 116.987,156.936 116.987,157.036 116.868,157.154 116.868,157.254 117.051,157.437 117.151,157.437 117.27,157.318 117.37,157.318 117.553,157.501 117.553,157.601 117.434,157.72 117.434,157.82 117.617,158.003 117.717,158.003 117.836,157.884 117.936,157.884 118.119,158.067 118.119,158.167 118,158.286 118,158.386 118.183,158.569 118.283,158.569 118.402,158.45 118.502,158.45 118.684,158.633 118.684,158.733 118.565,158.851 118.565,158.951 118.748,159.134 118.848,159.134 118.967,159.015 119.067,159.015 119.25,159.198 119.25,159.298 119.131,159.417 119.131,159.517 119.314,159.7 119.414,159.7 119.533,159.581 119.633,159.581 119.816,159.764 119.816,159.864 119.697,159.983 119.697,160.083 119.888,160.274 120.188,160.274 120.259,160.203 120.259,160.139 120.329,160.068 120.588,160.068 120.659,160.139 120.659,160.203 120.729,160.274 120.988,160.274 121.059,160.203 121.059,160.139 121.129,160.068 121.388,160.068 121.459,160.139 121.459,160.203 121.529,160.274 121.788,160.274 121.859,160.203 121.859,160.139 121.929,160.068 122.188,160.068 122.259,160.139 122.259,160.203 122.329,160.274 122.588,160.274 122.659,160.203 122.659,160.139 122.729,160.068 122.988,160.068 123.059,160.139 123.059,160.203 123.129,160.274 123.388,160.274 123.459,160.203 123.459,159.555 123.529,159.484 123.788,159.484 123.859,159.555 123.859,160.203 123.929,160.274 124.206,160.274 125.718,158.762 U5.48@125.718,157.788
SD_DQ13: U1.G15 U5.50 | length 20.1
  Top Layer w0.1: U1.G15@113.277,154.489 113.695,154.907 115.283,154.907 115.364,154.988 115.464,154.988 115.727,154.724 115.827,154.724 116.01,154.907 116.01,155.007 115.747,155.271 115.747,155.371 115.929,155.553 116.029,155.553 116.275,155.307 116.375,155.307 116.558,155.49 116.558,155.59 116.312,155.836 116.312,155.936 116.495,156.119 116.595,156.119 116.841,155.873 116.941,155.873 117.124,156.056 117.124,156.156 116.878,156.402 116.878,156.502 117.061,156.685 117.161,156.685 117.407,156.439 117.507,156.439 117.689,156.622 117.689,156.722 117.444,156.968 117.444,157.068 117.626,157.25 117.726,157.25 117.972,157.005 118.072,157.005 118.255,157.187 118.255,157.287 118.009,157.533 118.009,157.633 118.192,157.816 118.292,157.816 118.538,157.57 118.638,157.57 118.821,157.753 118.821,157.853 118.575,158.099 118.575,158.199 118.758,158.382 118.858,158.382 119.104,158.136 119.204,158.136 119.386,158.319 119.386,158.419 119.141,158.665 119.141,158.765 120.215,159.839 122.892,159.839 124.118,158.613 U5.50@124.118,157.788
SD_DQ14: U1.G16 U5.51 | length 20.1
  Top Layer w0.1: U1.G16@114.077,154.489 115.881,154.489 118.328,156.936 118.428,156.936 119.661,155.702 119.761,155.702 119.944,155.885 119.944,155.985 118.711,157.219 118.711,157.319 118.894,157.502 118.994,157.502 120.227,156.268 120.327,156.268 120.51,156.451 120.51,156.551 119.276,157.784 119.276,157.884 121.031,159.639 122.809,159.639 123.19,159.258 123.19,157.916 U5.51@123.318,157.788
SD_DQ15: U1.H15 U5.53 | length 19.6
  Top Layer w0.1: U1.H15@113.277,153.689 113.537,153.689 113.941,154.093 117.775,154.093 117.846,154.164 117.846,155.504 117.917,155.575 118.175,155.575 118.246,155.504 118.246,154.164 118.317,154.093 119.168,154.093 119.895,154.82 119.995,154.82 120.657,154.158 120.757,154.158 120.94,154.341 120.94,154.441 120.278,155.103 120.278,155.203 120.461,155.386 120.561,155.386 121.223,154.724 121.323,154.724 121.506,154.907 121.506,155.007 120.844,155.669 120.844,155.769 121.026,155.951 121.126,155.951 121.788,155.289 121.888,155.289 122.071,155.472 122.071,155.572 121.409,156.234 121.409,156.334 121.718,156.643 U5.53@121.718,157.788
SD_DQM0: R69.1 U1.T15 | length 2.9
  Top Layer w0.1: U1.T15@113.277,147.289 113.277,147.2 R69.1@115.264,145.213
SD_DQM1: R70.2 U1.D14 | length 5.9
  Top Layer w0.1: U1.D14@112.477,156.889 112.68,156.889 113.062,157.271 113.435,157.271 113.695,157.531 113.695,157.847 113.919,158.071 114.256,158.071 R70.2@116.661,160.476
SD_RAS_N: R50.1 U1.T14 | length 4.1
  Top Layer w0.254: U1.T14@112.522,147.123 112.649,146.996 v1(112.649,145.923)
  Bottom Layer w0.1: v1(112.649,145.923) 112.649,144.399 R50.1@113.613,143.435
SD_WE_N: R48.1 U1.N13 | length 1.2
  Top Layer w0.254: U1.N13@111.677,149.689 v1(112.014,149.352)
  Bottom Layer w0.1: v1(112.014,149.352) R48.1@112.724,149.352
SDA: R22.1 U2.11 | length 1.9
  Top Layer w0.254: R22.1@105.151,105.918 U2.11@105.151,107.836
SSPI_CS_N: R86.1 U1.R1 | length 1.8
  Top Layer w0.1: v1(101.6,147.574) 101.6,147.612 U1.R1@102.077,148.089
  Bottom Layer w0.1: R86.1@101.092,146.737 101.092,147.066 v1(101.6,147.574)
TCK: H1.1 U1.T10 | length 88.4
  Top Layer w0.1: v1(104.898,155.661) 105.109,155.661 105.119,155.671 105.435,155.671 105.445,155.661 105.623,155.661 v1@105.664,155.702 ; v1(106.934,169.418) 145.272,169.418 145.456,169.602 145.456,170.509 146.102,171.155 147.014,171.155 147.66,170.509 147.66,169.597 147.014,168.951 146.438,168.951 145.205,167.719 145.205,163.786 H1.1@146.558,162.433 ; U1.T10@109.277,147.289 110.661,145.905 v1(110.661,145.796)
  Bottom Layer w0.1: v1(104.898,155.661) 104.382,155.661 103.079,154.358 103.079,153.802 103.03,153.752 103.03,153.6 103.091,153.538 103.091,153.04 102.489,152.438 102.489,151.667 103.461,150.695 107.76,150.695 107.973,150.481 109.006,150.481 110.792,148.695 110.792,145.927 v1(110.661,145.796) ; v1(105.664,155.661) 106.934,156.931 107.019,156.931 107.111,156.839 107.444,156.839 107.679,157.075 107.679,157.408 107.444,157.643 107.111,157.643 106.934,157.82 v1(106.934,169.418)
TDI: H1.3 U1.R11 | length 80.2
  Top Layer w0.1: U1.R11@110.077,148.089 110.077,148.041 v1(110.39,147.728) ; v1(111.633,135.001) 111.633,135.935 111.485,136.083 111.485,136.417 111.633,136.565 111.633,136.946 113.117,138.43 141.224,138.43 147.882,145.088 147.882,161.153 147.669,161.366 147.669,163.579 146.393,163.579 145.456,164.517 145.456,165.429 146.558,166.531 H1.3@146.558,167.513
  Bottom Layer w0.1: v1(110.39,147.728) 110.259,147.597 110.259,138.291 111.402,137.148 111.402,135.232 v1(111.633,135.001)
TDO: H1.4 U1.M10 | length 72.1
  Top Layer w0.1: v1(106.489,158.054) 106.701,158.054 106.719,158.071 107.035,158.071 107.295,157.811 107.295,157.531 107.519,157.307 107.519,157.271 107.489,157.241 v1(107.277,157.241) ; v1(107.696,168.783) 145.288,168.783 H1.4@146.558,170.053 ; v1(108.839,150.079) 108.867,150.079 U1.M10@109.277,150.489
  Bottom Layer w0.1: v1(106.489,158.054) 106.278,158.265 106.278,169.601 106.678,170.001 107.159,170.001 107.696,169.464 v1(107.696,168.783) ; v1(107.277,157.241) 107.15,157.368 106.921,157.368 106.066,156.514 106.066,156.357 105.772,156.063 104.501,156.063 102.879,154.441 102.879,153.884 102.83,153.835 102.83,153.517 102.891,153.456 102.891,153.122 102.235,152.466 102.235,151.638 103.378,150.495 107.677,150.495 108.092,150.079 v1(108.839,150.079)
TMS: H1.2 U1.T11 | length 73.1
  Top Layer w0.1: U1.T11@110.077,147.289 111.252,146.114 v1(111.252,144.653) ; v1(111.887,136.25) 132.759,136.25 133.313,135.696 133.895,135.696 134.449,136.25 139.327,136.25 148.082,145.005 148.082,163.449 H1.2@146.558,164.973
  Bottom Layer w0.1: v1(111.252,144.653) 110.744,144.145 110.744,139.38 110.892,139.232 110.892,138.898 111.887,137.903 v1(111.887,136.25)
TX: U1.K2 U2.37 | length 38.6
  Top Layer w0.1: v1@96.134,123.825 U2.37@96.134,125.336 ; v1@99.314,152.781 100.904,152.781 101.179,152.506 102.458,152.506 ; 102.459,152.507 U1.K2@102.877,152.089
  Bottom Layer w0.1: v1(96.134,123.846) 93.472,126.508 93.472,147.57 96.176,150.274 97.15,150.274 97.157,150.281 97.27,150.281 99.509,152.52 99.509,152.661 v1(99.389,152.781)
USB_VBUS: R44.1 R45.2 U2.15 | length 24.9
  Top Layer w0.1: R44.1@104.775,96.003 105.927,97.155 R45.2@106.054,97.155 v1(106.805,97.155) ; U2.15@110.114,109.601 v1(111.506,109.601)
  Bottom Layer w0.1: v1(106.805,97.155) 113.792,97.155 114.046,97.409 114.046,101.917 113.03,102.933 113.03,108.712 112.141,109.601 v1(111.506,109.601)
VSYNC: R73.1 U1.B10 | length 4.8
  Top Layer w0.1: U1.B10@109.277,158.489 109.673,158.885 v1(109.72,158.885)
  Bottom Layer w0.1: R73.1@109.601,162.762 109.601,162.053 109.946,161.708 109.946,159.99 110.003,159.933 110.003,159.167 v1(109.72,158.885)
Y2: R82.1 U1.B14 | length 3.8
  Top Layer w0.1: U1.B14@112.477,158.489 112.865,158.877 v1(112.903,158.877)
  Bottom Layer w0.1: v1(112.903,158.877) 112.903,159.705 112.882,159.726 112.882,160.06 113.117,160.295 113.686,160.295 R82.1@114.502,161.111
Y3: R84.1 U1.C12 | length 8
  Top Layer w0.1: v1(109.714,158.1) 110.466,158.1 U1.C12@110.877,157.689
  Bottom Layer w0.1: v1(109.714,158.1) 109.967,158.1 110.109,158.242 110.178,158.242 110.195,158.259 113.231,158.259 114.336,159.364 115.041,159.364 115.518,159.841 R84.1@115.518,159.968
Y4: R85.1 U1.C13 | length 5.9
  Top Layer w0.1: U1.C13@111.677,157.689 111.937,157.689 112.319,158.071 113.399,158.071 113.695,158.367 113.695,158.647 113.919,158.871 114.411,158.871 v1(114.486,158.945)
  Bottom Layer w0.1: v1(114.486,158.945) 114.554,158.877 116.205,158.877 R85.1@116.661,159.333
Y5: R83.1 U1.A15 | length 4.5
  Top Layer w0.1: U1.A15@113.277,159.289 113.284,159.296 v1(113.284,159.893)
  Bottom Layer w0.1: v1(113.284,159.893) 114.112,159.893 114.387,160.168 114.448,160.168 R83.1@116.28,162
Y6: R81.1 U1.A14 | length 4.4
  Top Layer w0.1: U1.A14@112.477,159.289 112.477,159.655 113.603,160.781 v1(113.603,160.968)
  Bottom Layer w0.1: v1(113.603,160.968) 113.603,161.228 R81.1@115.01,162.635
Y7: R79.1 U1.A13 | length 3.3
  Top Layer w0.1: U1.A13@111.677,159.289 112.014,159.626 v1(112.014,160.02)
  Bottom Layer w0.1: v1(112.014,160.02) 112.395,160.401 112.395,161.798 R79.1@112.724,162.127
Y8: R78.1 U1.B12 | length 5.3
  Top Layer w0.1: U1.B12@110.877,158.489 111.252,158.864 v1(111.252,158.877)
  Bottom Layer w0.1: v1(111.252,158.877) 111.252,159.832 112.016,160.596 112.016,162.816 R78.1@112.343,163.143
Y9: R76.1 U1.B11 | length 4.8
  Top Layer w0.1: U1.B11@110.077,158.489 110.465,158.877 v1(110.49,158.877)
  Bottom Layer w0.1: v1(110.49,158.877) 110.49,159.385 111.019,159.914 111.019,160.314 110.962,160.371 110.962,162.215 110.744,162.433 R76.1@110.744,162.762
pads on no net: P1.1 P1.10 SCREW1.1 SCREW2.1 SCREW3.1 SCREW4.1 U1.A9 U1.B3 U1.B8 U1.B13 U1.B15 U1.B16 U1.C1 U1.C2 U1.C3 U1.C4 U1.C5 U1.C6 U1.C9 U1.C10 U1.C11 U1.C14 U1.C15 U1.C16 U1.D1 U1.D3 U1.D4 U1.D5 U1.D6 U1.D7 U1.D8 U1.D9 U1.D10 U1.D11 U1.D12 U1.D13 U1.E3 U1.E4 U1.E5 U1.E6 U1.E7 U1.E8 U1.E9 U1.E10 U1.E11 U1.E12 U1.E13 U1.E14 U1.F3 U1.F4 U1.F5 U1.F12 U1.F13 U1.F14 U1.G3 U1.G4 U1.G5 U1.G12 U1.G13 U1.G14 U1.H2 U1.H3 U1.H4 U1.H5 U1.H12 U1.H13 U1.H14 U1.J3 U1.J4 U1.J5 U1.J12 U1.J13 U1.J14 U1.K3 U1.K4 U1.K5 U1.K13 U1.K14 U1.K15 U1.L1 U1.L2 U1.L3 U1.L4 U1.L5 U1.L13 U1.L14 U1.L16 U1.M2 U1.M3 U1.M4 U1.M5 U1.M6 U1.M7 U1.M9 U1.M11 U1.M12 U1.M13 U1.N1 U1.N3 U1.N4 U1.N5 U1.N6 U1.N7 U1.N8 U1.N9 U1.N11 U1.N12 U1.N14 U1.N16 U1.P1 U1.P2 U1.P3 U1.P4 U1.P5 U1.P6 U1.P7 U1.P8 U1.P12 U1.P13 U1.P14 U1.P15 U1.R2 U1.R3 U1.R4 U1.R5 U1.R6 U1.R7 U1.R8 U1.R12 U1.R14 U1.T13 U2.4 U2.16 U2.26 U2.28 U2.29 U2.30 U2.32 U2.33 U2.34 U2.35 U2.38 U2.39 U5.40 U8.4 USB1.A6 USB1.A7 USB1.A8 USB1.B6 USB1.B7 USB1.B8 USB2.A8 USB2.B6 USB2.B7 USB2.B8
copper on no net: | length 13
  Top Layer w0.1: 93.345,126.873 93.594,126.624 93.594,125.336 ; 94.234,126.492 94.864,125.862 94.864,125.336 ; 96.134,107.836 96.363,107.607 v1(96.363,106.202) ; 105.024,125.336 105.024,125.971 106.561,127.508 107.188,127.508 107.442,127.254
  Top Layer w0.254: v1(101.473,148.54) 101.728,148.54 102.077,148.889 ; v1(103.272,149.246) 103.272,149.284 103.677,149.689 ; v1(104.029,148.489) 104.077,148.489 104.477,148.889 ; v1(104.14,149.352) 104.477,149.689
  Bottom Layer w0.1: v1(96.363,106.202) 96.363,104.424 96.52,104.267

## Polygon pours and split planes (outlines as drawn)
+5V on Inner2 (solid, remove dead copper): 87.784,103.749 102.696,103.749 102.696,89.885 87.784,89.885
GND on Inner1 (solid, remove dead copper): 76.2,182.626 151.257,182.626 151.257,78.486 76.2,78.486
+5V on Top Layer (solid, remove dead copper, pour order 0): 86.741,99.695 89.878,99.695 89.878,93.641 86.741,93.641
+3V3 on Inner2 (solid, remove dead copper): 77.597,185.674 159.766,185.674 159.766,76.2 77.597,76.2

## Keep-outs
Board Outline Layer:
  lines w0.254: 84.455,86.229 148.455,86.229 148.455,181.229 84.455,181.229 84.455,86.229

## Other copper
Top Layer:
  region net GND: 92.073,127.396 92.581,127.396 92.581,126.995 92.067,126.995 92.073,127
  region net GND: 93.983,96.848 94.491,96.848 94.491,96.446 93.977,96.446 93.983,96.452
  region net GND: 96.015,92.403 96.523,92.403 96.523,92.001 96.009,92.001 96.015,92.007
  region net +1V8: 123.143,105.828 123.651,105.828 123.651,105.426 123.138,105.426 123.143,105.431
  region net GND: 121.662,103.797 122.17,103.797 122.17,103.396 121.657,103.396 121.662,103.401
  region: 93.094,127.074 93.602,127.074 93.602,126.672 93.088,126.672 93.094,126.678
  region: 93.983,126.693 94.491,126.693 94.491,126.291 93.977,126.291 93.983,126.297
Bottom Layer:
  region net DONE: 110.366,137.361 110.874,137.361 110.874,136.959 110.36,136.959 110.366,136.965
  region net PROGRAMN: 108.588,136.577 109.096,136.577 109.096,136.176 108.582,136.176 108.588,136.181
  region net INITN: 101.984,127.455 102.492,127.455 102.492,127.053 101.978,127.053 101.984,127.059

## Silkscreen, mask and mechanical layers (free items; w line width, h text height)
Top Silkscreen Layer:
  text "JTAG" at 144.674,166.326 h3.05 r90